# KiCad board SparkFun_RTK_Facet_mosaic_panelized.kicad_pcb (continued)
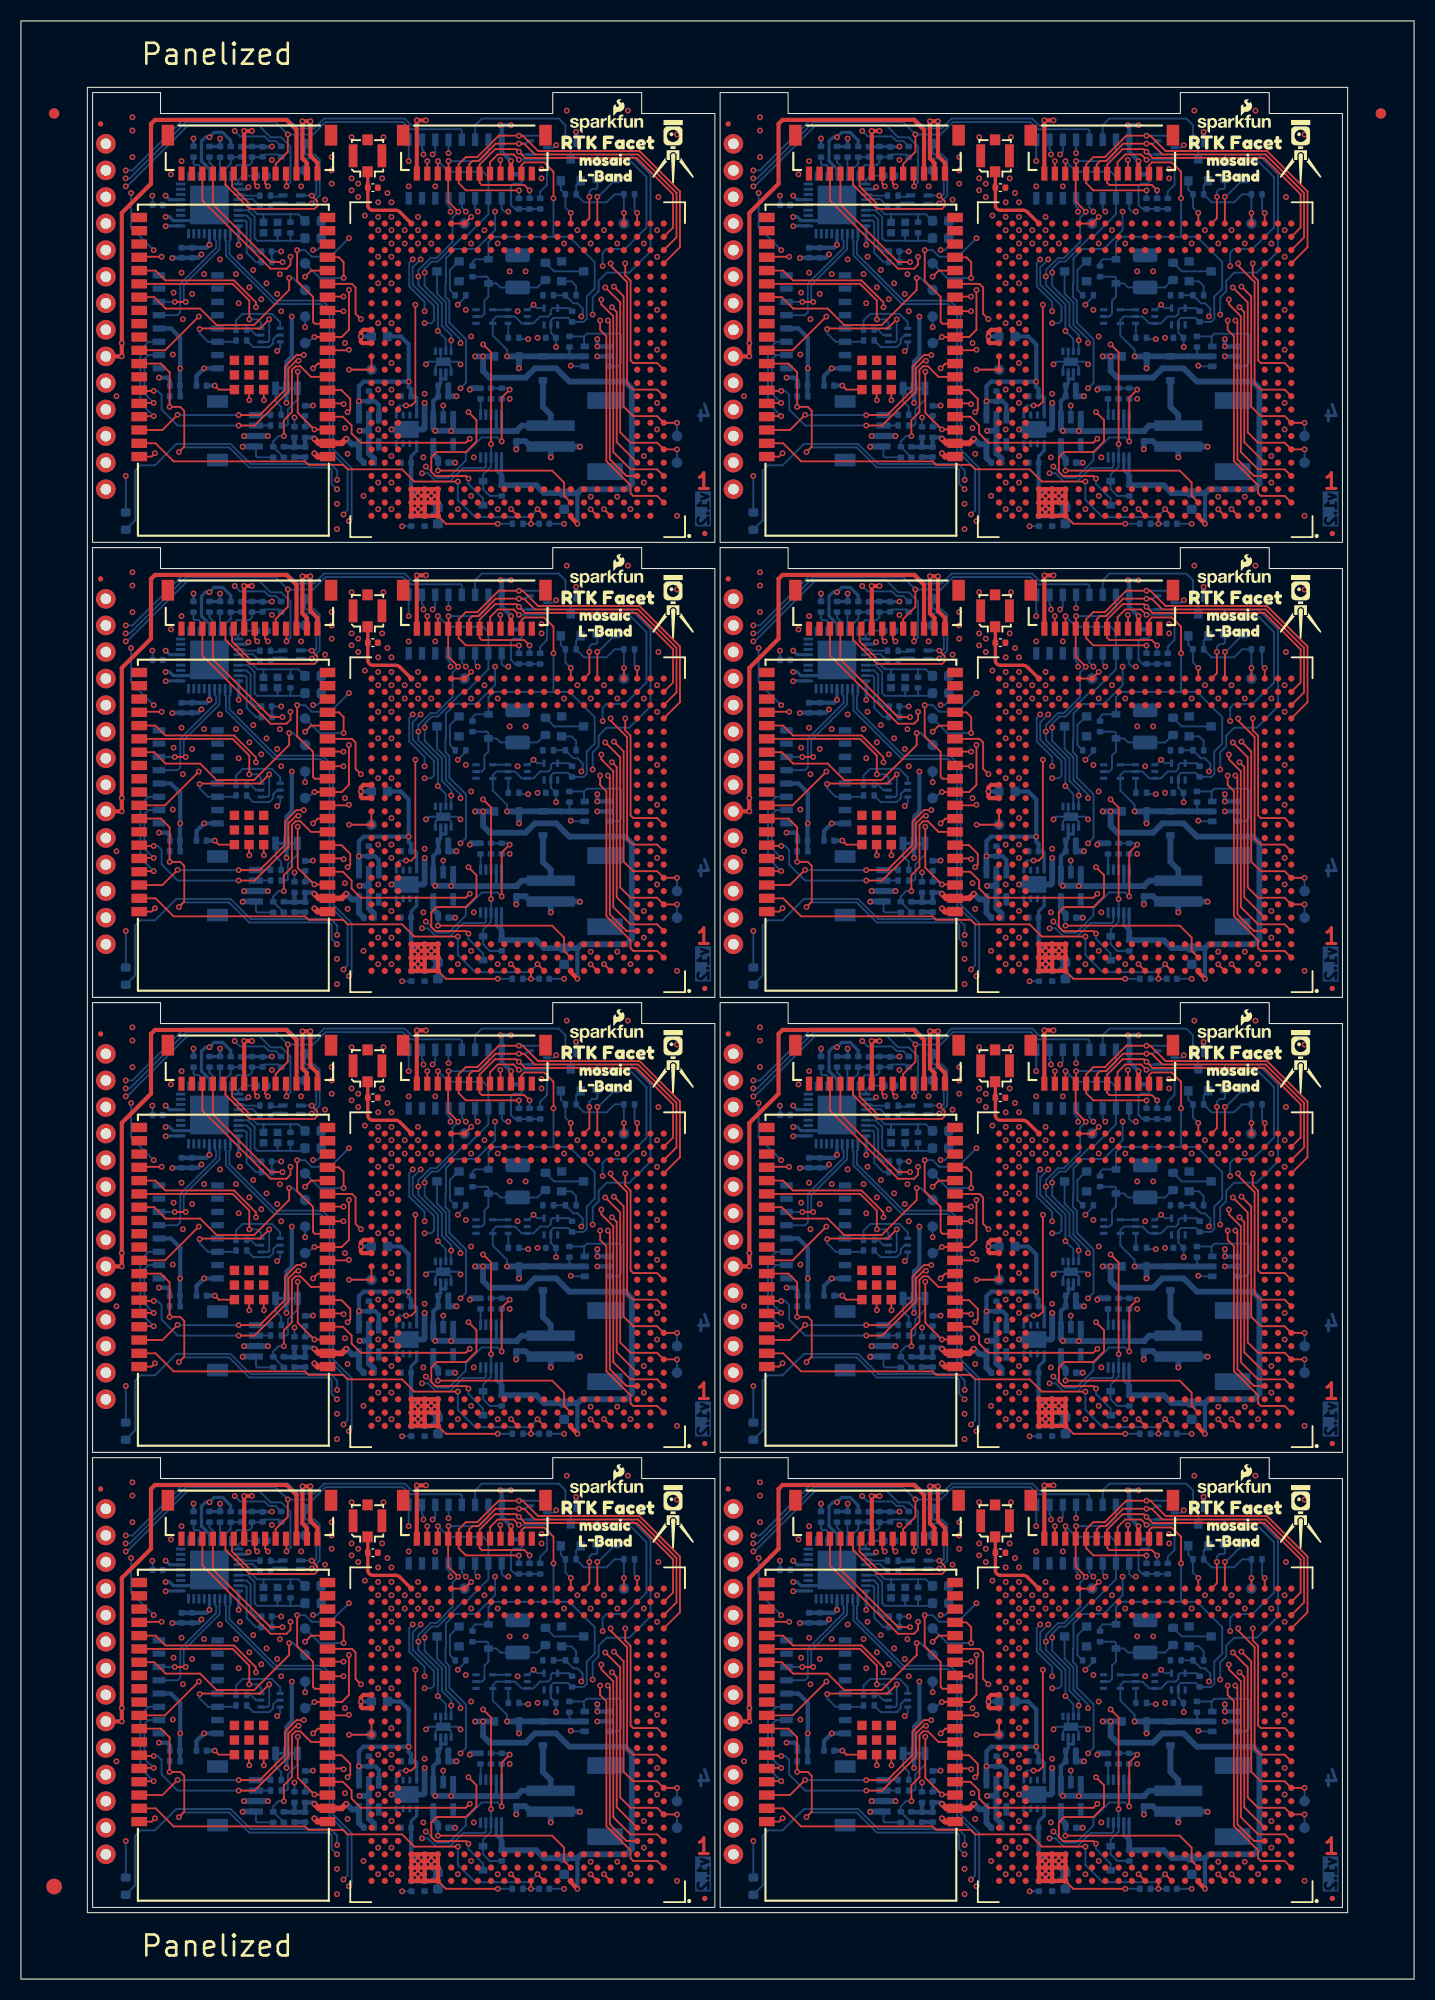
[diagram p0: board, top side]
## Library data of the parts (continued)
U9 U9#2-U9#6 U9#8 = -: Datasheet: http://ww1.microchip.com/downloads/en/DeviceDoc/00001692C.pdf; Description: USB 2.0 Hi-Speed Hub Controller; PROD_ID: IC-15827
U9#7 = -: Datasheet: http://ww1.microchip.com/downloads/en/DeviceDoc/00001692C.pdf; Description: USB 2.0 Hi-Speed Hub Controller; PROD_ID: IC-15827; ki_fp_filters: QFN*6x6mm*P0.5mm*
U10 U10#2 U10#4-U10#8 = -: Datasheet: https://ww1.microchip.com/downloads/en/DeviceDoc/22005b.pdf; Description: Single cell, Li-Ion/Li-Po charge management controller, Thermal cut-off; PROD_ID: IC-19890
U10#3 = -: Datasheet: https://ww1.microchip.com/downloads/en/DeviceDoc/22005b.pdf; Description: Single cell, Li-Ion/Li-Po charge management controller, Thermal cut-off; PROD_ID: IC-19890; ki_fp_filters: SOT?23*
U11 = -: Datasheet: https://www.diodes.com/assets/Datasheets/AP2112.pdf; Description: 600mA low dropout linear regulator, with enable pin, 3.8V-6V input voltage range, 3.3V fixed positive output, SOT-23-5; PROD_ID: VREG-12457; VMax: 6V; Imax: 600mA; Iq: 55µA; ki_fp_filters: SOT?23?5*
U11#2-U11#8 = -: Datasheet: https://www.diodes.com/assets/Datasheets/AP2112.pdf; Description: 600mA low dropout linear regulator, with enable pin, 3.8V-6V input voltage range, 3.3V fixed positive output, SOT-23-5; PROD_ID: VREG-12457; VMax: 6V; Imax: 600mA; Iq: 55µA
U12 U12#2-U12#4 U12#6-U12#8 = -: Datasheet: https://www.st.com/content/ccc/resource/technical/document/datasheet/35/54/c9/ad/3b/07/4a/c3/CD00268765.pdf/files/CD00268765.pdf/jcr:content/translations/en.CD00268765.pdf; Description: 150mA low dropout linear regulator, 1.4uA quiescent current; PROD_ID: IC-15779; VMax: 5.5V; Imax: 150mA; Iq: 1.4µA
U12#5 = -: Datasheet: https://www.st.com/content/ccc/resource/technical/document/datasheet/35/54/c9/ad/3b/07/4a/c3/CD00268765.pdf/files/CD00268765.pdf/jcr:content/translations/en.CD00268765.pdf; Description: 150mA low dropout linear regulator, 1.4uA quiescent current; PROD_ID: IC-15779; VMax: 5.5V; Imax: 150mA; Iq: 1.4µA; ki_fp_filters: SOT?23?5*
U13 U13#2 U13#3 U13#5-U13#8 = -: Datasheet: https://assets.nexperia.com/documents/data-sheet/74HC_HCT4052.pdf; Description: Double 4-channel analog multiplexer/demultiplexer; PROD_ID: IC-13103
U13#4 = -: Datasheet: https://assets.nexperia.com/documents/data-sheet/74HC_HCT4052.pdf; Description: Double 4-channel analog multiplexer/demultiplexer; PROD_ID: IC-13103; ki_fp_filters: TSSOP*4.4x5mm*P0.65mm* DIP*W7.62* SOIC*3.9x9.9mm*P1.27mm* SO*5.3x10.2mm*P1.27mm*
U14 U14#2-U14#4 U14#6-U14#8 = -: Datasheet: https://www.ti.com/lit/gpn/SN74LVC1G175; Description: Single D-Type Flip-Flop With Asynchronous Clear, 1.65V to 5.5V, SOT-323 (SC70); PROD_ID: IC-21905
U14#5 = -: Datasheet: https://www.ti.com/lit/gpn/SN74LVC1G175; Description: Single D-Type Flip-Flop With Asynchronous Clear, 1.65V to 5.5V, SOT-323 (SC70); PROD_ID: IC-21905; ki_fp_filters: TSSOP*4.4x5mm*P0.65mm* DIP*W7.62* SOIC*3.9x9.9mm*P1.27mm* SO*5.3x10.2mm*P1.27mm*
Y1 Y1#2-Y1#6 Y1#8 = -: Datasheet: https://www.murata.com/products/productdata/8801075560478/SPEC-XRCGB24M000F2P00R0.pdf; Description: Crystal; PROD_ID: XTAL-14845
Y1#7 = -: Datasheet: https://www.murata.com/products/productdata/8801075560478/SPEC-XRCGB24M000F2P00R0.pdf; Description: Crystal; PROD_ID: XTAL-14845; ki_fp_filters: Crystal*

## Footprints (pads in the part's own frame, mm; a bottom-side part is the same pattern mirrored in y, then rotated)
1x01
  round 1.88 hole 1.016: 1(0,0)
C_0402_1005Metric
  rrect 0.56x0.62 smd: 1(-0.48,0) 2(0.48,0)
C_0603_1608Metric
  rrect 0.9x0.95 smd: 1(-0.775,0) 2(0.775,0)
Crystal_SMD_2.0x1.6mm
  rect 0.75x0.7 smd: 1(-0.675,-0.5) 2(0.675,0.5) NC(-0.675,0.5) NC(0.675,-0.5)
DFN-8
  rect 0.7x0.3 smd: 1(-0.99,0.75) 2(-0.99,0.25) 3(-0.99,-0.25) 4(-0.99,-0.75) 5(0.99,-0.75) 6(0.99,-0.25) 7(0.99,0.25) 8(0.99,0.75)
  rect 0.8x1.38 smd: 9(0,0)
EIA-3528
  rrect 1.325x2.35 smd: 1(-1.538,0) 2(1.538,0)
ESP32-WROVER-E-IE
  rect 0.9x1.5 smd: 1(7.8,9) 2(6.53,9) 3(5.26,9) 4(3.99,9) 5(2.72,9) 6(1.45,9) 7(0.18,9) 8(-1.09,9) 9(-2.36,9) 10(-3.63,9) 11(-4.9,9) 12(-6.17,9) 13(-7.44,9) 14(-8.71,9) 15(-9.98,9) 16(-11.25,9) 17(-12.52,9) 18(-13.79,9) 19(-15.06,9) 20(-15.06,-9) 21(-13.79,-9) 22(-12.52,-9) 23(-11.25,-9) 24(-9.98,-9) 25(-8.71,-9) 26(-7.44,-9) 27(-6.17,-9) 28(-4.9,-9) 29(-3.63,-9) 30(-2.36,-9) 31(-1.09,-9) 32(0.18,-9) 33(1.45,-9) 34(2.72,-9) 35(3.99,-9) 36(5.26,-9) 37(6.53,-9) 38(7.8,-9)
  rect 0.9x0.9 smd: 39.1(1.4,2.9) 39.2(0,2.9) 39.3(-1.4,2.9) 39.4(-1.4,1.5) 39.5(-1.4,0.1) 39.6(0,0.1) 39.7(1.4,0.1) 39.8(1.4,1.5) 39.9(0,1.5)
Fiducial_0.5mm_Mask1mm
  round 0.5 smd: (0,0)
Fiducial_1.5mm_Mask3mm
  round 1.5 smd: (0,0)
Fiducial_1mm_Mask3mm
  round 1 smd: (0,0)
JST_SMD_1.0mm-4_RA
  rect 0.6x1.35 smd: 1(-1.5,0) 2(-0.5,0) 3(0.5,0) 4(1.5,0)
  rect 1.2x2 smd: NC1(2.8,-3.675) NC2(-2.8,-3.675)
JST_SMD_1.0mm-12_RA
  rect 0.6x1.35 smd: 1(-5.5,0) 2(-4.5,0) 3(-3.5,0) 4(-2.5,0) 5(-1.5,0) 6(-0.5,0) 7(0.5,0) 8(1.5,0) 9(2.5,0) 10(3.5,0) 11(4.5,0) 12(5.5,0)
  rect 1.2x2 smd: NC1(6.8,-3.675) NC2(-6.8,-3.675)
JST_SMD_1.0mm-14_RA
  rect 0.6x1.35 smd: 1(-6.5,0) 2(-5.5,0) 3(-4.5,0) 4(-3.5,0) 5(-2.5,0) 6(-1.5,0) 7(-0.5,0) 8(0.5,0) 9(1.5,0) 10(2.5,0) 11(3.5,0) 12(4.5,0) 13(5.5,0) 14(6.5,0)
  rect 1.2x2 smd: NC1(7.8,-3.675) NC2(-7.8,-3.675)
JST_SMD_2.0mm-2
  rect 1x4.6 smd: 1(-1,-3.7) 2(1,-3.7)
  rect 1.6x3.4 smd: NC1(-3.4,1.5) NC2(3.4,1.5)
Jumper_3_NC-2_Trace
  rect 0.66x1.27 smd: 1(-1.041,0) 2(0,0) 3(1.041,0)
MOSAIC_LGA
  rrect 0.6x0.6 smd: A2(12.7,-13.97) A3(11.43,-13.97) A4(10.16,-13.97) A5(8.89,-13.97) A6(7.62,-13.97) A7(6.35,-13.97) A8(5.08,-13.97) A9(3.81,-13.97) A10(2.54,-13.97) A11(1.27,-13.97) A12(0,-13.97) A13(-1.27,-13.97) A14(-2.54,-13.97) A15(-3.81,-13.97) A16(-5.08,-13.97) A17(-6.35,-13.97) A18(-7.62,-13.97) A19(-8.89,-13.97) A20(-10.16,-13.97) A21(-11.43,-13.97) A22(-12.7,-13.97) A23(-13.97,-13.97) AA1(13.97,11.43) AA2(12.7,11.43) AA3(11.43,11.43) AA4(10.16,11.43) AA5(8.89,11.43) AA6(7.62,11.43) AA7(6.35,11.43) AA8(5.08,11.43) AA9(3.81,11.43) AA10(2.54,11.43) AA11(1.27,11.43) AA12(0,11.43) AA13(-1.27,11.43) AA14(-2.54,11.43) AA15(-3.81,11.43) AA16(-5.08,11.43) AA17(-6.35,11.43) AA18(-7.62,11.43) AA19(-8.89,11.43) AA20(-10.16,11.43) AA21(-11.43,11.43) AA22(-12.7,11.43) AA23(-13.97,11.43) AB1(13.97,12.7) AB2(12.7,12.7) AB3(11.43,12.7) AB4(10.16,12.7) AB5(8.89,12.7) AB6(7.62,12.7) AB7(6.35,12.7) AB8(5.08,12.7) AB9(3.81,12.7) AB10(2.54,12.7) AB11(1.27,12.7) AB12(0,12.7) AB13(-1.27,12.7) AB14(-2.54,12.7) AB15(-3.81,12.7) AB16(-5.08,12.7) AB17(-6.35,12.7) AB18(-7.62,12.7) AB19(-8.89,12.7) AB20(-10.16,12.7) AB21(-11.43,12.7) AB22(-12.7,12.7) AB23(-13.97,12.7) AC1(13.97,13.97) AC2(12.7,13.97) AC3(11.43,13.97) AC4(10.16,13.97) AC5(8.89,13.97) AC6(7.62,13.97) AC7(6.35,13.97) AC8(5.08,13.97) AC9(3.81,13.97) AC10(2.54,13.97) AC11(1.27,13.97) AC12(0,13.97) AC13(-1.27,13.97) AC14(-2.54,13.97) AC15(-3.81,13.97) AC16(-5.08,13.97) AC17(-6.35,13.97) AC18(-7.62,13.97) AC19(-8.89,13.97) AC20(-10.16,13.97) AC21(-11.43,13.97) AC22(-12.7,13.97) AC23(-13.97,13.97) B1(13.97,-12.7) B2(12.7,-12.7) B3(11.43,-12.7) B4(10.16,-12.7) B5(8.89,-12.7) B6(7.62,-12.7) B7(6.35,-12.7) B8(5.08,-12.7) B9(3.81,-12.7) B10(2.54,-12.7) B11(1.27,-12.7) B12(0,-12.7) B13(-1.27,-12.7) B14(-2.54,-12.7) B15(-3.81,-12.7) B16(-5.08,-12.7) B17(-6.35,-12.7) B18(-7.62,-12.7) B19(-8.89,-12.7) B20(-10.16,-12.7) B21(-11.43,-12.7) B22(-12.7,-12.7) B23(-13.97,-12.7) C1(13.97,-11.43) C2(12.7,-11.43) C3(11.43,-11.43) C4(10.16,-11.43) C5(8.89,-11.43) C6(7.62,-11.43) C7(6.35,-11.43) C8(5.08,-11.43) C9(3.81,-11.43) C10(2.54,-11.43) C11(1.27,-11.43) C12(0,-11.43) C13(-1.27,-11.43) C14(-2.54,-11.43) C15(-3.81,-11.43) C16(-5.08,-11.43) C17(-6.35,-11.43) C18(-7.62,-11.43) C19(-8.89,-11.43) C20(-10.16,-11.43) C21(-11.43,-11.43) C22(-12.7,-11.43) C23(-13.97,-11.43) D1(13.97,-10.16) D2(12.7,-10.16) D3(11.43,-10.16) D21(-11.43,-10.16) D22(-12.7,-10.16) D23(-13.97,-10.16) E1(13.97,-8.89) E2(12.7,-8.89) E3(11.43,-8.89) E21(-11.43,-8.89) E22(-12.7,-8.89) E23(-13.97,-8.89) F1(13.97,-7.62) F2(12.7,-7.62) F3(11.43,-7.62) F21(-11.43,-7.62) F22(-12.7,-7.62) F23(-13.97,-7.62) G1(13.97,-6.35) G2(12.7,-6.35) G3(11.43,-6.35) G21(-11.43,-6.35) G22(-12.7,-6.35) G23(-13.97,-6.35) H1(13.97,-5.08) H2(12.7,-5.08) H3(11.43,-5.08) H21(-11.43,-5.08) H22(-12.7,-5.08) H23(-13.97,-5.08) J1(13.97,-3.81) J2(12.7,-3.81) J3(11.43,-3.81) J21(-11.43,-3.81) J22(-12.7,-3.81) J23(-13.97,-3.81) K1(13.97,-2.54) K2(12.7,-2.54) K3(11.43,-2.54) K21(-11.43,-2.54) K22(-12.7,-2.54) K23(-13.97,-2.54) L1(13.97,-1.27) L2(12.7,-1.27) L3(11.43,-1.27) L21(-11.43,-1.27) L22(-12.7,-1.27) L23(-13.97,-1.27) M1(13.97,0) M2(12.7,0) M3(11.43,0) M21(-11.43,0) M22(-12.7,0) M23(-13.97,0) N1(13.97,1.27) N2(12.7,1.27) N3(11.43,1.27) N21(-11.43,1.27) N22(-12.7,1.27) N23(-13.97,1.27) P1(13.97,2.54) P2(12.7,2.54) P3(11.43,2.54) P21(-11.43,2.54) P22(-12.7,2.54) P23(-13.97,2.54) R1(13.97,3.81) R2(12.7,3.81) R3(11.43,3.81) R21(-11.43,3.81) R22(-12.7,3.81) R23(-13.97,3.81) T1(13.97,5.08) T2(12.7,5.08) T3(11.43,5.08) T21(-11.43,5.08) T22(-12.7,5.08) T23(-13.97,5.08) U1(13.97,6.35) U2(12.7,6.35) U3(11.43,6.35) U21(-11.43,6.35) U22(-12.7,6.35) U23(-13.97,6.35) V1(13.97,7.62) V2(12.7,7.62) V3(11.43,7.62) V21(-11.43,7.62) V22(-12.7,7.62) V23(-13.97,7.62) W1(13.97,8.89) W2(12.7,8.89) W3(11.43,8.89) W21(-11.43,8.89) W22(-12.7,8.89) W23(-13.97,8.89) Y1(13.97,10.16) Y2(12.7,10.16) Y3(11.43,10.16) Y21(-11.43,10.16) Y22(-12.7,10.16) Y23(-13.97,10.16)
MSOP-10_3x3mm_P0.5mm
  rect 1x0.3 smd: 1(-2.05,1) 2(-2.05,0.5) 3(-2.05,0) 4(-2.05,-0.5) 5(-2.05,-1) 6(2.05,-1) 7(2.05,-0.5) 8(2.05,0) 9(2.05,0.5) 10(2.05,1)
QFN-36
  rect 0.9x0.28 smd: 1(-2.75,2) 2(-2.75,1.5) 3(-2.75,1) 4(-2.75,0.5) 5(-2.75,0) 6(-2.75,-0.5) 7(-2.75,-1) 8(-2.75,-1.5) 9(-2.75,-2) 19(2.75,-2) 20(2.75,-1.5) 21(2.75,-1) 22(2.75,-0.5) 23(2.75,0) 24(2.75,0.5) 25(2.75,1) 26(2.75,1.5) 27(2.75,2)
  rect 0.28x0.9 smd: 10(-2,-2.75) 11(-1.5,-2.75) 12(-1,-2.75) 13(-0.5,-2.75) 14(0,-2.75) 15(0.5,-2.75) 16(1,-2.75) 17(1.5,-2.75) 18(2,-2.75) 28(2,2.75) 29(1.5,2.75) 30(1,2.75) 31(0.5,2.75) 32(0,2.75) 33(-0.5,2.75) 34(-1,2.75) 35(-1.5,2.75) 36(-2,2.75)
  rect 3.7x3.7 smd: EP(0,0)
R_0402_1005Metric
  rrect 0.54x0.64 smd: 1(-0.51,0) 2(0.51,0)
R_0603_1608Metric
  rrect 0.8x0.95 smd: 1(-0.825,0) 2(0.825,0)
RFCMF1220100M4T
  rect 0.9x0.4 smd: 1(-0.85,0.4) 2(0.85,0.4) 3(-0.85,-0.4) 4(0.85,-0.4)
SO-16
  rect 1.2x0.6 smd: 1(-2.8,4.445) 2(-2.8,3.175) 3(-2.8,1.905) 4(-2.8,0.635) 5(-2.8,-0.635) 6(-2.8,-1.905) 7(-2.8,-3.175) 8(-2.8,-4.445) 9(2.8,-4.445) 10(2.8,-3.175) 11(2.8,-1.905) 12(2.8,-0.635) 13(2.8,0.635) 14(2.8,1.905) 15(2.8,3.175) 16(2.8,4.445)
SOD-323
  rect 0.63x0.83 smd: A(1.15,0) C(-1.15,0)
SOT23-3
  rect 0.9x0.8 smd: 1(-1,0.95) 2(-1,-0.95) 3(1.1,0)
SOT23-5
  rect 1.2x0.55 smd: 1(-1.3,0.95) 2(-1.3,0) 3(-1.3,-0.95) 4(1.3,-0.95) 5(1.3,0.95)
SOT23-6-Tight
  rect 0.8x0.55 smd: 1(-1.2,0.95) 2(-1.2,0) 3(-1.2,-0.95) 4(1.2,-0.95) 5(1.2,0) 6(1.2,0.95)
SOT-323
  rect 0.66x0.3 smd: 1(-0.92,0.65) 2(-0.92,0) 3(-0.92,-0.65) 4(0.92,-0.65) 5(0.92,0) 6(0.92,0.65)
SOT-353
  rect 0.7x0.3 smd: 1(-0.8,0.65) 2(-0.8,0) 3(-0.8,-0.65) 4(0.8,-0.65) 5(0.8,0.65)
TestPoint-1.0mm
  rrect 1.016x1.016 smd: 1(0,0)
U.FL
  rect 1.05x1 smd: 1(1.525,0) NC(-1.525,0)
  rect 2.2x0.85 smd: 2(0,1.375) 2(0,-1.375)
UDFN-8
  rect 0.65x0.3 smd: 1(-1.375,0.975) 2(-1.375,0.325) 3(-1.375,-0.325) 4(-1.375,-0.975) 5(1.375,-0.975) 6(1.375,-0.325) 7(1.375,0.325) 8(1.375,0.975)
  rect 1.6x2.35 smd: 9(0,0)

## Nets
1.8V: Q3.1 Q3#2.1 Q3#3.1 Q3#4.1 Q3#5.1 Q3#6.1 Q3#7.1 Q3#8.1 R5.2 R5#2.2 R5#3.2 R5#4.2 R5#5.2 R5#6.2 R5#7.2 R5#8.2 R12.1 R12#2.1 R12#3.1 R12#4.1 R12#5.1 R12#6.1 R12#7.1 R12#8.1 TP14.1 TP14#2.1 TP14#3.1 TP14#4.1 TP14#5.1 TP14#6.1 TP14#7.1 TP14#8.1 U2.AC4 U2#2.AC4 U2#3.AC4 U2#4.AC4 U2#5.AC4 U2#6.AC4 U2#7.AC4 U2#8.AC4
3.3V: C1.1 C1#2.1 C1#3.1 C1#4.1 C1#5.1 C1#6.1 C1#7.1 C1#8.1 C2.1 C2#2.1 C2#3.1 C2#4.1 C2#5.1 C2#6.1 C2#7.1 C2#8.1 C4.1 C4#2.1 C4#3.1 C4#4.1 C4#5.1 C4#6.1 C4#7.1 C4#8.1 C5.1 C5#2.1 C5#3.1 C5#4.1 C5#5.1 C5#6.1 C5#7.1 C5#8.1 C9.1 C9#2.1 C9#3.1 C9#4.1 C9#5.1 C9#6.1 C9#7.1 C9#8.1 C23.1 C23#2.1 C23#3.1 C23#4.1 C23#5.1 C23#6.1 C23#7.1 C23#8.1 C30.1 C30#2.1 C30#3.1 C30#4.1 C30#5.1 C30#6.1 C30#7.1 C30#8.1 JP1.2 JP1#2.2 JP1#3.2 JP1#4.2 JP1#5.2 JP1#6.2 JP1#7.2 JP1#8.2 R1.1 R1#2.1 R1#3.1 R1#4.1 R1#5.1 R1#6.1 R1#7.1 R1#8.1 R7.1 R7#2.1 R7#3.1 R7#4.1 R7#5.1 R7#6.1 R7#7.1 R7#8.1 R10.1 R10#2.1 R10#3.1 R10#4.1 R10#5.1 R10#6.1 R10#7.1 R10#8.1 R21.1 R21#2.1 R21#3.1 R21#4.1 R21#5.1 R21#6.1 R21#7.1 R21#8.1 R43.1 R43#2.1 R43#3.1 R43#4.1 R43#5.1 R43#6.1 R43#7.1 R43#8.1 TP1.1 TP1#2.1 TP1#3.1 TP1#4.1 TP1#5.1 TP1#6.1 TP1#7.1 TP1#8.1 U1.2 U1#2.2 U1#3.2 U1#4.2 U1#5.2 U1#6.2 U1#7.2 U1#8.2 U3.4 U3.16 U3#2.4 U3#2.16 U3#3.4 U3#3.16 U3#4.4 U3#4.16 U3#5.4 U3#5.16 U3#6.4 U3#6.16 U3#7.4 U3#7.16 U3#8.4 U3#8.16 U9.5 U9.10 U9.15 U9.23 U9.29 U9.36 U9#2.5 U9#2.10 U9#2.15 U9#2.23 U9#2.29 U9#2.36 U9#3.5 U9#3.10 U9#3.15 U9#3.23 U9#3.29 U9#3.36 U9#4.5 U9#4.10 U9#4.15 U9#4.23 U9#4.29 U9#4.36 U9#5.5 U9#5.10 U9#5.15 U9#5.23 U9#5.29 U9#5.36 U9#6.5 U9#6.10 U9#6.15 U9#6.23 U9#6.29 U9#6.36 U9#7.5 U9#7.10 U9#7.15 U9#7.23 U9#7.29 U9#7.36 U9#8.5 U9#8.10 U9#8.15 U9#8.23 U9#8.29 U9#8.36 U11.5 U11#2.5 U11#3.5 U11#4.5 U11#5.5 U11#6.5 U11#7.5 U11#8.5
3.3V_P: C21.1 C21#2.1 C21#3.1 C21#4.1 C21#5.1 C21#6.1 C21#7.1 C21#8.1 C26.1 C26#2.1 C26#3.1 C26#4.1 C26#5.1 C26#6.1 C26#7.1 C26#8.1 C27.1 C27#2.1 C27#3.1 C27#4.1 C27#5.1 C27#6.1 C27#7.1 C27#8.1 C28.1 C28#2.1 C28#3.1 C28#4.1 C28#5.1 C28#6.1 C28#7.1 C28#8.1 C29.1 C29#2.1 C29#3.1 C29#4.1 C29#5.1 C29#6.1 C29#7.1 C29#8.1 J3.2 J3#2.2 J3#3.2 J3#4.2 J3#5.2 J3#6.2 J3#7.2 J3#8.2 J4.3 J4#2.3 J4#3.3 J4#4.3 J4#5.3 J4#6.3 J4#7.3 J4#8.3 J5.8 J5#2.8 J5#3.8 J5#4.8 J5#5.8 J5#6.8 J5#7.8 J5#8.8 R11.1 R11#2.1 R11#3.1 R11#4.1 R11#5.1 R11#6.1 R11#7.1 R11#8.1 R13.1 R13#2.1 R13#3.1 R13#4.1 R13#5.1 R13#6.1 R13#7.1 R13#8.1 R28.1 R28#2.1 R28#3.1 R28#4.1 R28#5.1 R28#6.1 R28#7.1 R28#8.1 R37.1 R37#2.1 R37#3.1 R37#4.1 R37#5.1 R37#6.1 R37#7.1 R37#8.1 R38.1 R38#2.1 R38#3.1 R38#4.1 R38#5.1 R38#6.1 R38#7.1 R38#8.1 TP7.1 TP7#2.1 TP7#3.1 TP7#4.1 TP7#5.1 TP7#6.1 TP7#7.1 TP7#8.1 U2.A18 U2.A19 U2.A20 U2.B18 U2.B19 U2.B20 U2.C18 U2.C19 U2.C20 U2#2.A18 U2#2.A19 U2#2.A20 U2#2.B18 U2#2.B19 U2#2.B20 U2#2.C18 U2#2.C19 U2#2.C20 U2#3.A18 U2#3.A19 U2#3.A20 U2#3.B18 U2#3.B19 U2#3.B20 U2#3.C18 U2#3.C19 U2#3.C20 U2#4.A18 U2#4.A19 U2#4.A20 U2#4.B18 U2#4.B19 U2#4.B20 U2#4.C18 U2#4.C19 U2#4.C20 U2#5.A18 U2#5.A19 U2#5.A20 U2#5.B18 U2#5.B19 U2#5.B20 U2#5.C18 U2#5.C19 U2#5.C20 U2#6.A18 U2#6.A19 U2#6.A20 U2#6.B18 U2#6.B19 U2#6.B20 U2#6.C18 U2#6.C19 U2#6.C20 U2#7.A18 U2#7.A19 U2#7.A20 U2#7.B18 U2#7.B19 U2#7.B20 U2#7.C18 U2#7.C19 U2#7.C20 U2#8.A18 U2#8.A19 U2#8.A20 U2#8.B18 U2#8.B19 U2#8.B20 U2#8.C18 U2#8.C19 U2#8.C20 U7.1 U7#2.1 U7#3.1 U7#4.1 U7#5.1 U7#6.1 U7#7.1 U7#8.1 U13.16 U13#2.16 U13#3.16 U13#4.16 U13#5.16 U13#6.16 U13#7.16 U13#8.16
GND: C1.2 C1#2.2 C1#3.2 C1#4.2 C1#5.2 C1#6.2 C1#7.2 C1#8.2 C2.2 C2#2.2 C2#3.2 C2#4.2 C2#5.2 C2#6.2 C2#7.2 C2#8.2 C3.2 C3#2.2 C3#3.2 C3#4.2 C3#5.2 C3#6.2 C3#7.2 C3#8.2 C4.2 C4#2.2 C4#3.2 C4#4.2 C4#5.2 C4#6.2 C4#7.2 C4#8.2 C5.2 C5#2.2 C5#3.2 C5#4.2 C5#5.2 C5#6.2 C5#7.2 C5#8.2 C6.2 C6#2.2 C6#3.2 C6#4.2 C6#5.2 C6#6.2 C6#7.2 C6#8.2 C7.2 C7#2.2 C7#3.2 C7#4.2 C7#5.2 C7#6.2 C7#7.2 C7#8.2 C8.2 C8#2.2 C8#3.2 C8#4.2 C8#5.2 C8#6.2 C8#7.2 C8#8.2 C9.2 C9#2.2 C9#3.2 C9#4.2 C9#5.2 C9#6.2 C9#7.2 C9#8.2 C10.2 C10#2.2 C10#3.2 C10#4.2 C10#5.2 C10#6.2 C10#7.2 C10#8.2 C11.2 C11#2.2 C11#3.2 C11#4.2 C11#5.2 C11#6.2 C11#7.2 C11#8.2 C12.2 C12#2.2 C12#3.2 C12#4.2 C12#5.2 C12#6.2 C12#7.2 C12#8.2 C13.2 C13#2.2 C13#3.2 C13#4.2 C13#5.2 C13#6.2 C13#7.2 C13#8.2 C14.2 C14#2.2 C14#3.2 C14#4.2 C14#5.2 C14#6.2 C14#7.2 C14#8.2 C15.2 C15#2.2 C15#3.2 C15#4.2 C15#5.2 C15#6.2 C15#7.2 C15#8.2 C16.2 C16#2.2 C16#3.2 C16#4.2 C16#5.2 C16#6.2 C16#7.2 C16#8.2 C17.2 C17#2.2 C17#3.2 C17#4.2 C17#5.2 C17#6.2 C17#7.2 C17#8.2 C18.2 C18#2.2 C18#3.2 C18#4.2 C18#5.2 C18#6.2 C18#7.2 C18#8.2 C19.2 C19#2.2 C19#3.2 C19#4.2 C19#5.2 C19#6.2 C19#7.2 C19#8.2 C21.2 C21#2.2 C21#3.2 C21#4.2 C21#5.2 C21#6.2 C21#7.2 C21#8.2 C22.2 C22#2.2 C22#3.2 C22#4.2 C22#5.2 C22#6.2 C22#7.2 C22#8.2 C23.2 C23#2.2 C23#3.2 C23#4.2 C23#5.2 C23#6.2 C23#7.2 C23#8.2 C24.2 C24#2.2 C24#3.2 C24#4.2 C24#5.2 C24#6.2 C24#7.2 C24#8.2 C25.2 C25#2.2 C25#3.2 C25#4.2 C25#5.2 C25#6.2 C25#7.2 C25#8.2 C26.2 C26#2.2 C26#3.2 C26#4.2 C26#5.2 C26#6.2 C26#7.2 C26#8.2 C27.2 C27#2.2 C27#3.2 C27#4.2 C27#5.2 C27#6.2 C27#7.2 C27#8.2 C28.2 C28#2.2 C28#3.2 C28#4.2 C28#5.2 C28#6.2 C28#7.2 C28#8.2 C29.2 C29#2.2 C29#3.2 C29#4.2 C29#5.2 C29#6.2 C29#7.2 C29#8.2 C30.2 C30#2.2 C30#3.2 C30#4.2 C30#5.2 C30#6.2 C30#7.2 C30#8.2 D1.1 D1#2.1 D1#3.1 D1#4.1 D1#5.1 D1#6.1 D1#7.1 D1#8.1 D2.2 D2#2.2 D2#3.2 D2#4.2 D2#5.2 D2#6.2 D2#7.2 D2#8.2 J1.2 J1#2.2 J1#3.2 J1#4.2 J1#5.2 J1#6.2 J1#7.2 J1#8.2 J2.1 J2#2.1 J2#3.1 J2#4.1 J2#5.1 J2#6.1 J2#7.1 J2#8.1 J3.1 J3#2.1 J3#3.1 J3#4.1 J3#5.1 J3#6.1 J3#7.1 J3#8.1 J4.1 J4#2.1 J4#3.1 J4#4.1 J4#5.1 J4#6.1 J4#7.1 J4#8.1 J5.13 J5.14 J5#2.13 J5#2.14 J5#3.13 J5#3.14 J5#4.13 J5#4.14 J5#5.13 J5#5.14 J5#6.13 J5#6.14 J5#7.13 J5#7.14 J5#8.13 J5#8.14 Q2.5 Q2#2.5 Q2#3.5 Q2#4.5 Q2#5.5 Q2#6.5 Q2#7.5 Q2#8.5 Q4.2 Q4#2.2 Q4#3.2 Q4#4.2 Q4#5.2 Q4#6.2 Q4#7.2 Q4#8.2 Q5.2 Q5#2.2 Q5#3.2 Q5#4.2 Q5#5.2 Q5#6.2 Q5#7.2 Q5#8.2 R8.2 R8#2.2 R8#3.2 R8#4.2 R8#5.2 R8#6.2 R8#7.2 R8#8.2 R14.2 R14#2.2 R14#3.2 R14#4.2 R14#5.2 R14#6.2 R14#7.2 R14#8.2 R15.2 R15#2.2 R15#3.2 R15#4.2 R15#5.2 R15#6.2 R15#7.2 R15#8.2 R17.1 R17#2.1 R17#3.1 R17#4.1 R17#5.1 R17#6.1 R17#7.1 R17#8.1 R20.2 R20#2.2 R20#3.2 R20#4.2 R20#5.2 R20#6.2 R20#7.2 R20#8.2 R23.2 R23#2.2 R23#3.2 R23#4.2 R23#5.2 R23#6.2 R23#7.2 R23#8.2 R24.2 R24#2.2 R24#3.2 R24#4.2 R24#5.2 R24#6.2 R24#7.2 R24#8.2 R29.2 R29#2.2 R29#3.2 R29#4.2 R29#5.2 R29#6.2 R29#7.2 R29#8.2 R30.1 R30#2.1 R30#3.1 R30#4.1 R30#5.1 R30#6.1 R30#7.1 R30#8.1 R32.2 R32#2.2 R32#3.2 R32#4.2 R32#5.2 R32#6.2 R32#7.2 R32#8.2 R39.2 R39#2.2 R39#3.2 R39#4.2 R39#5.2 R39#6.2 R39#7.2 R39#8.2 TP4.1 TP4#2.1 TP4#3.1 TP4#4.1 TP4#5.1 TP4#6.1 TP4#7.1 TP4#8.1 TP23.1 TP23#2.1 TP23#3.1 TP23#4.1 TP23#5.1 TP23#6.1 TP23#7.1 TP23#8.1 U1.1 U1.15 U1.38 U1.39.1 U1.39.2 U1.39.3 U1.39.4 U1.39.5 U1.39.6 U1.39.7 U1.39.8 U1.39.9 U1#2.1 U1#2.15 U1#2.38 U1#2.39.1 U1#2.39.2 U1#2.39.3 U1#2.39.4 U1#2.39.5 U1#2.39.6 U1#2.39.7 U1#2.39.8 U1#2.39.9 U1#3.1 U1#3.15 U1#3.38 U1#3.39.1 U1#3.39.2 U1#3.39.3 U1#3.39.4 U1#3.39.5 U1#3.39.6 U1#3.39.7 U1#3.39.8 U1#3.39.9 U1#4.1 U1#4.15 U1#4.38 U1#4.39.1 U1#4.39.2 U1#4.39.3 U1#4.39.4 U1#4.39.5 U1#4.39.6 U1#4.39.7 U1#4.39.8 U1#4.39.9 U1#5.1 U1#5.15 U1#5.38 U1#5.39.1 U1#5.39.2 U1#5.39.3 U1#5.39.4 U1#5.39.5 U1#5.39.6 U1#5.39.7 U1#5.39.8 U1#5.39.9 U1#6.1 U1#6.15 U1#6.38 U1#6.39.1 U1#6.39.2 U1#6.39.3 U1#6.39.4 U1#6.39.5 U1#6.39.6 U1#6.39.7 U1#6.39.8 U1#6.39.9 U1#7.1 U1#7.15 U1#7.38 U1#7.39.1 U1#7.39.2 U1#7.39.3 U1#7.39.4 U1#7.39.5 U1#7.39.6 U1#7.39.7 U1#7.39.8 U1#7.39.9 U1#8.1 U1#8.15 U1#8.38 U1#8.39.1 U1#8.39.2 U1#8.39.3 U1#8.39.4 U1#8.39.5 U1#8.39.6 U1#8.39.7 U1#8.39.8 U1#8.39.9 U2.A3 U2.A4 U2.A7 U2.A15 U2.A16 U2.A17 U2.A21 U2.A22 U2.A23 U2.AA13 U2.AA14 U2.AA15 U2.AA16 U2.AA17 U2.AA18 U2.AA19 U2.AA20 U2.AA21 U2.AA22 U2.AA23 U2.AB2 U2.AB3 U2.AB4 U2.AB5 U2.AB6 U2.AB7 U2.AB8 U2.AB13 U2.AB14 U2.AB15 U2.AB16 U2.AB17 U2.AB18 U2.AB19 U2.AB20 U2.AB21 U2.AB22 U2.AB23 U2.AC13 U2.AC15 U2.AC18 U2.AC19 U2.AC21 U2.AC22 U2.AC23 U2.B4 U2.B5 U2.B6 U2.B7 U2.B13 U2.B17 U2.B21 U2.C4 U2.C7 U2.C15 U2.C16 U2.C17 U2.C23 U2.D2 U2.D21 U2.D22 U2.D23 U2.E2 U2.E21 U2.E22 U2.E23 U2.F21 U2.F22 U2.F23 U2.G2 U2.G21 U2.G23 U2.H21 U2.H22 U2.H23 U2.J21 U2.J22 U2.J23 U2.K2 U2.K21 U2.K22 U2.K23 U2.L21 U2.L22 U2.L23 U2.M21 U2.M22 U2.N21 U2.N22 U2.P1 U2.P2 U2.P3 U2.P21 U2.P22 U2.R3 U2.R21 U2.R22 U2.T21 U2.T22 U2.T23 U2.U2 U2.U21 U2.U22 U2.U23 U2.V21 U2.V22 U2.V23 U2.W21 U2.W22 U2.W23 U2.Y2 U2.Y21 U2.Y22 U2.Y23 U2#2.A3 U2#2.A4 U2#2.A7 U2#2.A15 U2#2.A16 U2#2.A17 U2#2.A21 U2#2.A22 U2#2.A23 U2#2.AA13 U2#2.AA14 U2#2.AA15 U2#2.AA16 U2#2.AA17 U2#2.AA18 U2#2.AA19 U2#2.AA20 U2#2.AA21 U2#2.AA22 U2#2.AA23 U2#2.AB2 U2#2.AB3 U2#2.AB4 U2#2.AB5 U2#2.AB6 U2#2.AB7 U2#2.AB8 U2#2.AB13 U2#2.AB14 U2#2.AB15 U2#2.AB16 U2#2.AB17 U2#2.AB18 U2#2.AB19 U2#2.AB20 U2#2.AB21 U2#2.AB22 U2#2.AB23 U2#2.AC13 U2#2.AC15 U2#2.AC18 U2#2.AC19 U2#2.AC21 U2#2.AC22 U2#2.AC23 U2#2.B4 U2#2.B5 U2#2.B6 U2#2.B7 U2#2.B13 U2#2.B17 U2#2.B21 U2#2.C4 U2#2.C7 U2#2.C15 U2#2.C16 U2#2.C17 U2#2.C23 U2#2.D2 U2#2.D21 U2#2.D22 U2#2.D23 U2#2.E2 U2#2.E21 U2#2.E22 U2#2.E23 U2#2.F21 U2#2.F22 U2#2.F23 U2#2.G2 U2#2.G21 U2#2.G23 U2#2.H21 U2#2.H22 U2#2.H23 U2#2.J21 U2#2.J22 U2#2.J23 U2#2.K2 U2#2.K21 U2#2.K22 U2#2.K23 U2#2.L21 U2#2.L22 U2#2.L23 U2#2.M21 U2#2.M22 U2#2.N21 U2#2.N22 U2#2.P1 U2#2.P2 U2#2.P3 U2#2.P21 U2#2.P22 U2#2.R3 U2#2.R21 U2#2.R22 U2#2.T21 U2#2.T22 U2#2.T23 U2#2.U2 U2#2.U21 U2#2.U22 U2#2.U23 U2#2.V21 U2#2.V22 U2#2.V23 U2#2.W21 U2#2.W22 U2#2.W23 U2#2.Y2 U2#2.Y21 U2#2.Y22 U2#2.Y23 U2#3.A3 U2#3.A4 U2#3.A7 U2#3.A15 U2#3.A16 U2#3.A17 U2#3.A21 U2#3.A22 U2#3.A23 U2#3.AA13 U2#3.AA14 U2#3.AA15 U2#3.AA16 U2#3.AA17 U2#3.AA18 U2#3.AA19 U2#3.AA20 U2#3.AA21 U2#3.AA22 U2#3.AA23 U2#3.AB2 U2#3.AB3 U2#3.AB4 U2#3.AB5 U2#3.AB6 U2#3.AB7 U2#3.AB8 U2#3.AB13 U2#3.AB14 U2#3.AB15 U2#3.AB16 U2#3.AB17 U2#3.AB18 U2#3.AB19 U2#3.AB20 U2#3.AB21 U2#3.AB22 U2#3.AB23 U2#3.AC13 U2#3.AC15 U2#3.AC18 U2#3.AC19 U2#3.AC21 U2#3.AC22 U2#3.AC23 U2#3.B4 U2#3.B5 U2#3.B6 U2#3.B7 U2#3.B13 U2#3.B17 U2#3.B21 U2#3.C4 U2#3.C7 U2#3.C15 U2#3.C16 U2#3.C17 U2#3.C23 U2#3.D2 U2#3.D21 U2#3.D22 U2#3.D23 U2#3.E2 U2#3.E21 U2#3.E22 U2#3.E23 U2#3.F21 U2#3.F22 U2#3.F23 U2#3.G2 U2#3.G21 U2#3.G23 U2#3.H21 U2#3.H22 U2#3.H23 U2#3.J21 U2#3.J22 U2#3.J23 U2#3.K2 U2#3.K21 U2#3.K22 U2#3.K23 U2#3.L21 U2#3.L22 U2#3.L23 U2#3.M21 U2#3.M22 U2#3.N21 U2#3.N22 U2#3.P1 U2#3.P2 U2#3.P3 U2#3.P21 U2#3.P22 U2#3.R3 U2#3.R21 U2#3.R22 U2#3.T21 U2#3.T22 U2#3.T23 U2#3.U2 U2#3.U21 U2#3.U22 U2#3.U23 U2#3.V21 U2#3.V22 U2#3.V23 U2#3.W21 U2#3.W22 U2#3.W23 U2#3.Y2 U2#3.Y21 U2#3.Y22 U2#3.Y23 U2#4.A3 U2#4.A4 U2#4.A7 U2#4.A15 U2#4.A16 U2#4.A17 U2#4.A21 U2#4.A22 U2#4.A23 U2#4.AA13 U2#4.AA14 U2#4.AA15 U2#4.AA16 U2#4.AA17 U2#4.AA18 U2#4.AA19 U2#4.AA20 U2#4.AA21 U2#4.AA22 U2#4.AA23 U2#4.AB2 U2#4.AB3 U2#4.AB4 U2#4.AB5 U2#4.AB6 U2#4.AB7 U2#4.AB8 U2#4.AB13 U2#4.AB14 U2#4.AB15 U2#4.AB16 U2#4.AB17 U2#4.AB18 U2#4.AB19 U2#4.AB20 U2#4.AB21 U2#4.AB22 U2#4.AB23 U2#4.AC13 U2#4.AC15 U2#4.AC18 U2#4.AC19 U2#4.AC21 U2#4.AC22 U2#4.AC23 U2#4.B4 U2#4.B5 U2#4.B6 U2#4.B7 U2#4.B13 U2#4.B17 U2#4.B21 U2#4.C4 U2#4.C7 U2#4.C15 U2#4.C16 U2#4.C17 U2#4.C23 U2#4.D2 U2#4.D21 U2#4.D22 U2#4.D23 U2#4.E2 U2#4.E21 U2#4.E22 U2#4.E23 U2#4.F21 U2#4.F22 U2#4.F23 U2#4.G2 U2#4.G21 U2#4.G23 U2#4.H21 U2#4.H22 U2#4.H23 U2#4.J21 U2#4.J22 U2#4.J23 U2#4.K2 U2#4.K21 U2#4.K22 U2#4.K23 U2#4.L21 U2#4.L22 U2#4.L23 U2#4.M21 U2#4.M22 U2#4.N21 U2#4.N22 U2#4.P1 U2#4.P2 U2#4.P3 U2#4.P21 U2#4.P22 U2#4.R3 U2#4.R21 U2#4.R22 U2#4.T21 U2#4.T22 U2#4.T23 U2#4.U2 U2#4.U21 U2#4.U22 U2#4.U23 U2#4.V21 U2#4.V22 U2#4.V23 U2#4.W21 U2#4.W22 U2#4.W23 U2#4.Y2 U2#4.Y21 U2#4.Y22 U2#4.Y23 U2#5.A3 U2#5.A4 U2#5.A7 U2#5.A15 U2#5.A16 U2#5.A17 U2#5.A21 U2#5.A22 U2#5.A23 U2#5.AA13 U2#5.AA14 U2#5.AA15 U2#5.AA16 U2#5.AA17 U2#5.AA18 U2#5.AA19 U2#5.AA20 U2#5.AA21 U2#5.AA22 U2#5.AA23 U2#5.AB2 U2#5.AB3 U2#5.AB4 U2#5.AB5 U2#5.AB6 U2#5.AB7 U2#5.AB8 U2#5.AB13 U2#5.AB14 U2#5.AB15 U2#5.AB16 U2#5.AB17 U2#5.AB18 U2#5.AB19 U2#5.AB20 U2#5.AB21 U2#5.AB22 U2#5.AB23 U2#5.AC13 U2#5.AC15 U2#5.AC18 U2#5.AC19 U2#5.AC21 U2#5.AC22 U2#5.AC23 U2#5.B4 U2#5.B5 U2#5.B6 U2#5.B7 U2#5.B13 U2#5.B17 U2#5.B21 U2#5.C4 U2#5.C7 U2#5.C15 U2#5.C16 U2#5.C17 U2#5.C23 U2#5.D2 U2#5.D21 U2#5.D22 U2#5.D23 U2#5.E2 U2#5.E21 U2#5.E22 U2#5.E23 U2#5.F21 U2#5.F22 U2#5.F23 U2#5.G2 U2#5.G21 U2#5.G23 U2#5.H21 U2#5.H22 U2#5.H23 U2#5.J21 U2#5.J22 U2#5.J23 U2#5.K2 U2#5.K21 U2#5.K22 U2#5.K23 U2#5.L21 U2#5.L22 U2#5.L23 U2#5.M21 U2#5.M22 U2#5.N21 U2#5.N22 U2#5.P1 U2#5.P2 U2#5.P3 U2#5.P21 U2#5.P22 U2#5.R3 U2#5.R21 U2#5.R22 U2#5.T21 U2#5.T22 U2#5.T23 U2#5.U2 U2#5.U21 U2#5.U22 U2#5.U23 U2#5.V21 U2#5.V22 U2#5.V23 U2#5.W21 U2#5.W22 U2#5.W23 U2#5.Y2 U2#5.Y21 U2#5.Y22 U2#5.Y23 U2#6.A3 U2#6.A4 U2#6.A7 U2#6.A15 U2#6.A16 U2#6.A17 U2#6.A21 U2#6.A22 U2#6.A23 U2#6.AA13 U2#6.AA14 U2#6.AA15 U2#6.AA16 U2#6.AA17 U2#6.AA18 U2#6.AA19 U2#6.AA20 U2#6.AA21 U2#6.AA22 U2#6.AA23 U2#6.AB2 U2#6.AB3 U2#6.AB4 U2#6.AB5 U2#6.AB6 U2#6.AB7 U2#6.AB8 U2#6.AB13 U2#6.AB14 U2#6.AB15 U2#6.AB16 U2#6.AB17 U2#6.AB18 U2#6.AB19 U2#6.AB20 U2#6.AB21 U2#6.AB22 U2#6.AB23 U2#6.AC13 U2#6.AC15 U2#6.AC18 U2#6.AC19 U2#6.AC21 U2#6.AC22 U2#6.AC23 U2#6.B4 U2#6.B5 U2#6.B6 U2#6.B7 U2#6.B13 U2#6.B17 U2#6.B21 U2#6.C4 U2#6.C7 U2#6.C15 U2#6.C16 U2#6.C17 U2#6.C23 U2#6.D2 U2#6.D21 U2#6.D22 U2#6.D23 U2#6.E2 U2#6.E21 U2#6.E22 U2#6.E23 U2#6.F21 U2#6.F22 U2#6.F23 U2#6.G2 U2#6.G21 U2#6.G23 U2#6.H21 U2#6.H22 U2#6.H23 U2#6.J21 U2#6.J22 U2#6.J23 U2#6.K2 U2#6.K21 U2#6.K22 U2#6.K23 U2#6.L21 U2#6.L22 U2#6.L23 U2#6.M21 U2#6.M22 U2#6.N21 U2#6.N22 U2#6.P1 U2#6.P2 U2#6.P3 U2#6.P21 U2#6.P22 U2#6.R3 U2#6.R21 U2#6.R22 U2#6.T21 U2#6.T22 U2#6.T23 U2#6.U2 U2#6.U21 U2#6.U22 U2#6.U23 U2#6.V21 U2#6.V22 U2#6.V23 U2#6.W21 U2#6.W22 U2#6.W23 U2#6.Y2 U2#6.Y21 U2#6.Y22 U2#6.Y23 U2#7.A3 U2#7.A4 U2#7.A7 U2#7.A15 U2#7.A16 U2#7.A17 U2#7.A21 U2#7.A22 U2#7.A23 U2#7.AA13 U2#7.AA14 U2#7.AA15 U2#7.AA16 U2#7.AA17 U2#7.AA18 U2#7.AA19 U2#7.AA20 U2#7.AA21 U2#7.AA22 U2#7.AA23 U2#7.AB2 U2#7.AB3 U2#7.AB4 U2#7.AB5 U2#7.AB6 U2#7.AB7 U2#7.AB8 U2#7.AB13 U2#7.AB14 U2#7.AB15 U2#7.AB16 U2#7.AB17 U2#7.AB18 U2#7.AB19 U2#7.AB20 U2#7.AB21 U2#7.AB22 U2#7.AB23 U2#7.AC13 U2#7.AC15 U2#7.AC18 U2#7.AC19 U2#7.AC21 U2#7.AC22 U2#7.AC23 U2#7.B4 U2#7.B5 U2#7.B6 U2#7.B7 U2#7.B13 U2#7.B17 U2#7.B21 U2#7.C4 U2#7.C7 U2#7.C15 U2#7.C16 U2#7.C17 U2#7.C23 U2#7.D2 U2#7.D21 U2#7.D22 U2#7.D23 U2#7.E2 U2#7.E21 U2#7.E22 U2#7.E23 U2#7.F21 U2#7.F22 U2#7.F23 U2#7.G2 U2#7.G21 U2#7.G23 U2#7.H21 U2#7.H22 U2#7.H23 U2#7.J21 U2#7.J22 U2#7.J23 U2#7.K2 U2#7.K21 U2#7.K22 U2#7.K23 U2#7.L21 U2#7.L22 U2#7.L23 U2#7.M21 U2#7.M22 U2#7.N21 U2#7.N22 U2#7.P1 U2#7.P2 U2#7.P3 U2#7.P21 U2#7.P22 U2#7.R3 U2#7.R21 U2#7.R22 U2#7.T21 U2#7.T22 U2#7.T23 U2#7.U2 U2#7.U21 U2#7.U22 U2#7.U23 U2#7.V21 U2#7.V22 U2#7.V23 U2#7.W21 U2#7.W22 U2#7.W23 U2#7.Y2 U2#7.Y21 U2#7.Y22 U2#7.Y23 U2#8.A3 U2#8.A4 U2#8.A7 U2#8.A15 U2#8.A16 U2#8.A17 U2#8.A21 U2#8.A22 U2#8.A23 U2#8.AA13 U2#8.AA14 U2#8.AA15 U2#8.AA16 U2#8.AA17 U2#8.AA18 U2#8.AA19 U2#8.AA20 U2#8.AA21 U2#8.AA22 U2#8.AA23 U2#8.AB2 U2#8.AB3 U2#8.AB4 U2#8.AB5 U2#8.AB6 U2#8.AB7 U2#8.AB8 U2#8.AB13 U2#8.AB14 U2#8.AB15 U2#8.AB16 U2#8.AB17 U2#8.AB18 U2#8.AB19 U2#8.AB20 U2#8.AB21 U2#8.AB22 U2#8.AB23 U2#8.AC13 U2#8.AC15 U2#8.AC18 U2#8.AC19 U2#8.AC21 U2#8.AC22 U2#8.AC23 U2#8.B4 U2#8.B5 U2#8.B6 U2#8.B7 U2#8.B13 U2#8.B17 U2#8.B21 U2#8.C4 U2#8.C7 U2#8.C15 U2#8.C16 U2#8.C17 U2#8.C23 U2#8.D2 U2#8.D21 U2#8.D22 U2#8.D23 U2#8.E2 U2#8.E21 U2#8.E22 U2#8.E23 U2#8.F21 U2#8.F22 U2#8.F23 U2#8.G2 U2#8.G21 U2#8.G23 U2#8.H21 U2#8.H22 U2#8.H23 U2#8.J21 U2#8.J22 U2#8.J23 U2#8.K2 U2#8.K21 U2#8.K22 U2#8.K23 U2#8.L21 U2#8.L22 U2#8.L23 U2#8.M21 U2#8.M22 U2#8.N21 U2#8.N22 U2#8.P1 U2#8.P2 U2#8.P3 U2#8.P21 U2#8.P22 U2#8.R3 U2#8.R21 U2#8.R22 U2#8.T21 U2#8.T22 U2#8.T23 U2#8.U2 U2#8.U21 U2#8.U22 U2#8.U23 U2#8.V21 U2#8.V22 U2#8.V23 U2#8.W21 U2#8.W22 U2#8.W23 U2#8.Y2 U2#8.Y21 U2#8.Y22 U2#8.Y23 U3.1 U3#2.1 U3#3.1 U3#4.1 U3#5.1 U3#6.1 U3#7.1 U3#8.1 U4.1 U4.4 U4.6 U4.9 U4#2.1 U4#2.4 U4#2.6 U4#2.9 U4#3.1 U4#3.4 U4#3.6 U4#3.9 U4#4.1 U4#4.4 U4#4.6 U4#4.9 U4#5.1 U4#5.4 U4#5.6 U4#5.9 U4#6.1 U4#6.4 U4#6.6 U4#6.9 U4#7.1 U4#7.4 U4#7.6 U4#7.9 U4#8.1 U4#8.4 U4#8.6 U4#8.9 U6.3 U6#2.3 U6#3.3 U6#4.3 U6#5.3 U6#6.3 U6#7.3 U6#8.3 U7.4 U7.9 U7#2.4 U7#2.9 U7#3.4 U7#3.9 U7#4.4 U7#4.9 U7#5.4 U7#5.9 U7#6.4 U7#6.9 U7#7.4 U7#7.9 U7#8.4 U7#8.9 U8.3 U8#2.3 U8#3.3 U8#4.3 U8#5.3 U8#6.3 U8#7.3 U8#8.3 U9.11 U9.EP U9#2.11 U9#2.EP U9#3.11 U9#3.EP U9#4.11 U9#4.EP U9#5.11 U9#5.EP U9#6.11 U9#6.EP U9#7.11 U9#7.EP U9#8.11 U9#8.EP U10.5 U10#2.5 U10#3.5 U10#4.5 U10#5.5 U10#6.5 U10#7.5 U10#8.5 U11.2 U11#2.2 U11#3.2 U11#4.2 U11#5.2 U11#6.2 U11#7.2 U11#8.2 U12.2 U12#2.2 U12#3.2 U12#4.2 U12#5.2 U12#6.2 U12#7.2 U12#8.2 U13.6 U13.7 U13.8 U13#2.6 U13#2.7 U13#2.8 U13#3.6 U13#3.7 U13#3.8 U13#4.6 U13#4.7 U13#4.8 U13#5.6 U13#5.7 U13#5.8 U13#6.6 U13#6.7 U13#6.8 U13#7.6 U13#7.7 U13#7.8 U13#8.6 U13#8.7 U13#8.8 U14.2 U14#2.2 U14#3.2 U14#4.2 U14#5.2 U14#6.2 U14#7.2 U14#8.2